# Allegro board STARRYSKY.brd (continued)
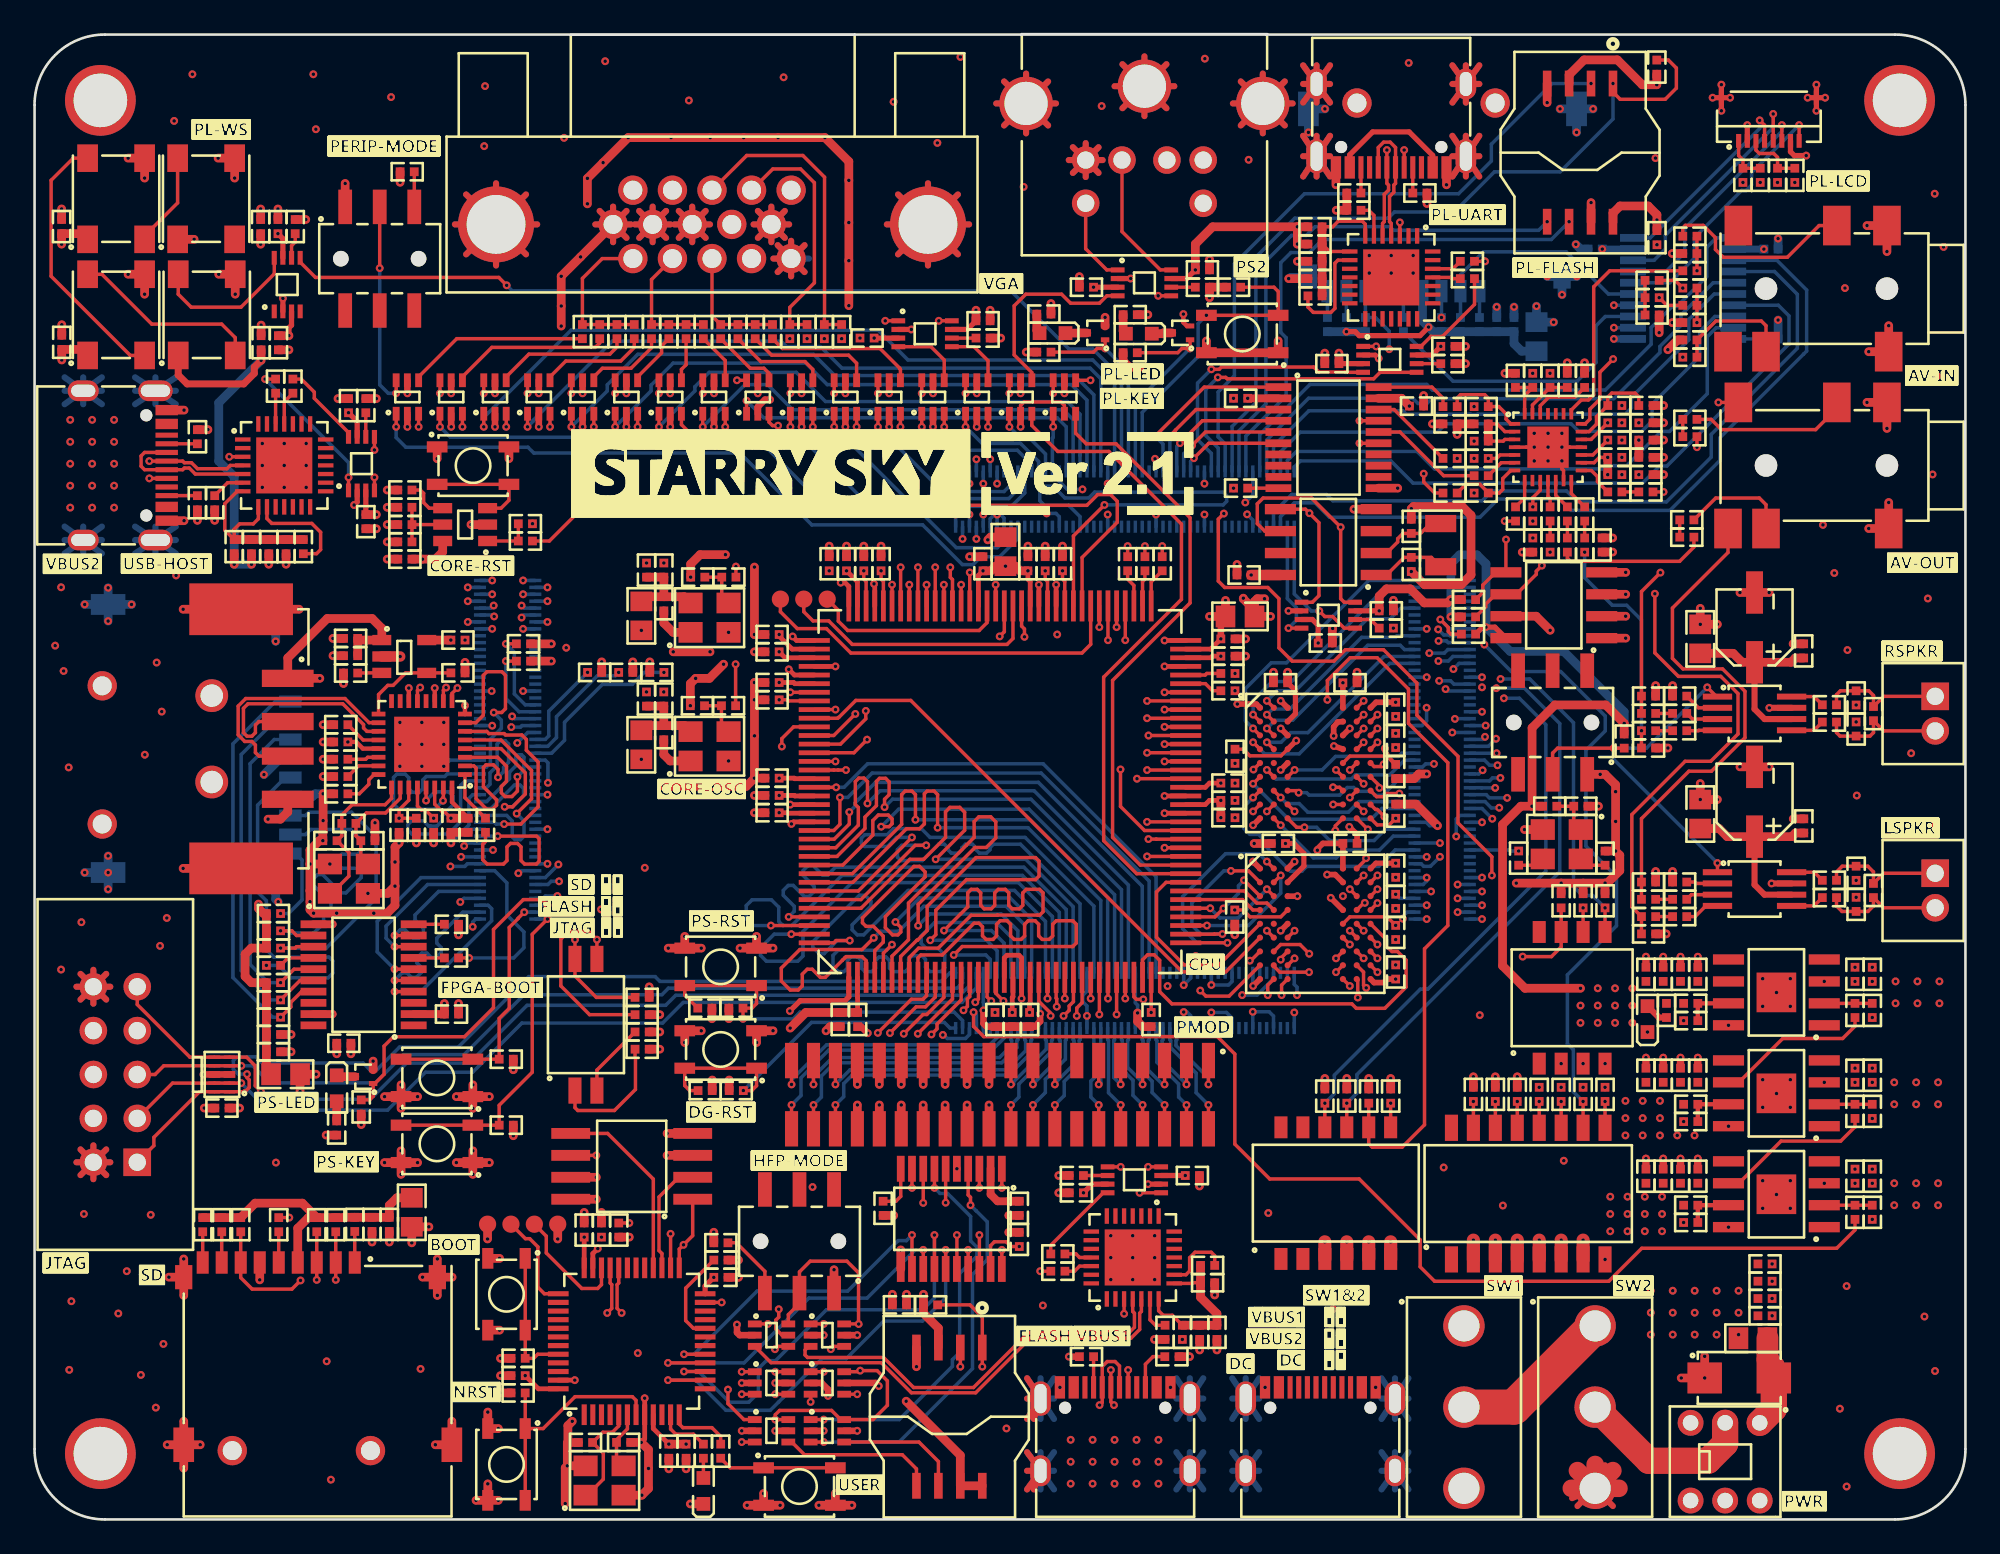
[diagram p0: board, top side]
## Routing (per net, layer and track width the routed paths; a pad name or vN(x,y) marks a point on that pad's centre or on a via; arc(x,y) is an arc through that point) (continued)
VCC_0V9: length 12.6
  TOP w0.203: U4.6 98.65,25.3 101.18,27.84 104.65,27.84 105.37,28.56 R4.1
  TOP w0.508: v1(71.19,53.3) 70.77,53.3 70.61,53.14 70.61,52.64 ; 70.61,52.64 L3.1 v1(71.54,52.27) ; 70.61,52.64 69.96,53.29 v1(69.96,53.33)
  vias: v1(92.08,24.23) v1(92.08,23.23) v1(92.08,22.23) v1(93.08,24.23) v1(93.08,23.23) v1(93.08,22.23) v1(94.08,24.23) v1(94.08,23.23) v1(94.08,22.23) v1(95.08,22.23) v1(96.08,22.23)
VCC_1V8: length 145.4
  TOP w0.203: U5.E7 76.13,34.88 78.29,34.88 v1(78.78,34.39) ; U48.E7 76.13,44.19 78.3,44.19 ; v1(23.1,40.59) 22.62,41.07 22.39,41.07 22.16,41.3 U23.28 ; U5.D3 72.13,34.88 70.35,34.88 69.95,35.28 v1(69.47,35.28) ; U48.D3 72.14,44.2 70.35,44.2 69.97,44.59 C168.1 ; U2.6 98.65,19.46 101.09,21.9 104.54,21.9 105.37,22.73 R17.1 ; U48.J9 77.71,40.2 78.4,40.2 v1(78.78,40.59) ; U23.30 23.16,41.4 23.61,40.95 23.74,40.95 v1(24.1,40.59)
  TOP w0.254: U23.14 v1(21.66,48.13) ; v1(78.16,44.63) 78.16,44.42 78.3,44.28 78.3,44.19 C166.1 ; U23.8 v1(24.91,47.11) ; C99.1 24.16,41.53 U23.32 ; U23.11 v1(23.16,48.13)
  TOP w0.305: v1(48.6,68.38) U46.3 ; v1(78.78,37.99) 77.64,37.99 U5.A9 ; U5.B3 73.47,37.82 73.47,38.55 72.89,39.13 v1(72.4,39.13) ; U48.D3 v1(73.03,45.08) ; U48.B3 72.98,46.64 72.98,47.98 C162.1 ; v1(14.73,68.52) 14.73,68.98 14.87,69.13 U42.3 ; U43.3 73.96,52.09 74.3,51.76 v1(74.3,50.73) ; U20.3 C90.2 ; v1(61.29,71.33) U25.3 ; C182.2 U52.3 ; U15.3 v1(66.6,19.91)
  TOP w0.33: v1(78.78,47.3) 77.64,47.3 U48.A9 ; U5.J9 77.53,31.08 78.09,31.08 78.3,31.28 v1(78.78,31.28) ; U48.C7 v1(76.13,45.79) ; v1(74.25,38.74) 74.25,38.81 74.57,39.13 C61.1 U5.A7 ; v1(75.73,48.43) U48.A7
  TOP w0.457: v1(56.39,18.42) 55.74,18.42 55.34,18.82 U13.2 ; C88.2 U19.2 ; v1(70.22,64.9) U53.2
  TOP w0.508: C90.2 v1(19.78,58.17) ; L4.1 55.33,56.86 v1(55.17,56.7) ; R27.1 v1(20.41,57.59) ; R92.1 v1(22.1,39.16) ; J6.8 J6.7 53.58,3.71 v1(50.45,6.84) ; C162.1 v1(72.53,49.04) ; U6.6 23.62,56.01 23.2,55.59 v1(22.46,55.59) C38.1 ; R129.1 v1(15.7,75.25) ; R112.2 R106.1 v1(68.01,70.72) ; R91.1 v1(19.78,64.88) ; R57.1 v1(59.28,19.91) ; R83.1 v1(18.91,22.86) ; R111.1 63.01,67.05 63.37,66.69 v1(63.97,66.69) ; J13.8 91.36,75.62 91.77,76.03 93.4,76.03 93.9,75.52 v1(93.9,75.22) C112.1 ; R184.1 v1(90.52,41.28) ; v1(24.1,40.59) C99.1 ; R115.1 v1(93.89,83.05) 93.05,83.05 91.62,84.49 89.69,84.49 88.82,83.62 J13.3 ; C67.2 v1(56.39,18.42) ; R109.1 v1(57.4,67.57) ; R174.1 v1(82.82,66.9) ; J13.7 v1(90.09,76.22) ; R84.1 v1(24.54,33.84) ; C88.2 v1(23.72,29.86) ; R55.1 v1(49.72,17.6) ; R131.1 v1(55.92,68.38) ; C182.2 v1(75.5,67.51) ; J6.3 52.31,11.07 51.45,11.94 R61.1 v1(51.45,13.03) ; C80.1 v1(49.65,13.03) ; R88.2 v1(27.71,22.21) ; C121.2 v1(14.73,68.52) ; R77.1 v1(40.2,25.44) ; R69.1 v1(40.19,28.99) ; R85.2 v1(27.71,26.03)
  TOP w0.762: SW7.5 v1(77.22,16.07) ; SW5.3 v1(84.55,16.17) ; SW7.4 v1(75.95,16.07) ; SW5.4 v1(85.82,16.17) ; SW7.6 v1(78.49,16.07) ; SW5.7 v1(89.63,16.17) ; SW5.6 v1(88.36,16.17) ; SW5.5 v1(87.09,16.17) ; SW7.3 v1(74.68,16.07) ; SW5.2 v1(83.28,16.17)
  ART06 w0.508: v1(50.45,6.84) 49.88,7.41 49.88,11.46 v1(51.45,13.03)
  BOTTOM w0.203: J23.A46 v1(80.83,36.35) ; J22.B5 v1(54.91,59.96) ; J23.B46 v1(83.78,36.35) ; J22.A2 v1(53.71,56.76) ; J22.B2 v1(53.71,61.37) ; J23.B49 v1(82.37,35.15) ; J22.A1 v1(53.31,58.17) ; J22.A4 v1(54.51,56.76) ; J22.B4 v1(54.51,61.37) ; J23.B50 v1(83.78,34.75) ; J23.A50 v1(80.58,34.75) ; v1(79.2,34.77) 79.2,34.91 79.44,35.15 J23.A49 ; J22.B1 v1(53.31,59.96) ; J23.B47 v1(82.37,35.95) ; J22.A5 v1(54.91,58.17) ; J23.A47 79.02,35.95 v1(78.78,36.19)
  BOTTOM w0.406: v1(100.1,73.54) U41.2
  BOTTOM w0.508: R128.1 v1(100.92,69.43)
  vias: v1(28.82,57.64) v1(35.12,51.46) v1(35.12,44) v1(69.4,59.7) v1(75.73,36.08) v1(78.65,51.59) v1(78.78,45.5) v1(88.36,26.39) v1(89.63,26.39) v1(90.9,26.39) v1(90.9,15.05) v1(91.2,18.68) v1(91.2,17.68) v1(91.2,16.68) v1(92.2,18.68) v1(92.2,17.68) v1(92.2,16.68) v1(93.2,18.68) v1(93.2,17.68) v1(93.2,16.68) v1(94.2,18.68) v1(94.2,17.68) v1(94.2,16.68)
VCC_3V3: length 171.1
  TOP w0.203: v1(43.07,12.17) 43.07,11.71 42.9,11.54 42.9,11.03 43.26,10.67 U9.5 ; v1(57,15.8) 56.51,15.8 56.24,16.07 55.56,16.07 55.34,15.85 U13.19
  TOP w0.254: v1(18.13,45) 18.62,45 19,44.62 U23.21
  TOP w0.279: v1(28.4,8.33) 29.16,7.56 U16.48 ; U16.9 35.81,5.26 v1(36.71,4.36) ; v1(31.81,16.34) U16.36
  TOP w0.305: v1(81.39,67.9) 80.89,67.4 U52.7 ; v1(14.09,74.43) 14.37,74.14 U42.7 ; C106.1 83.81,51.65 v1(84.01,51.65) 84.52,51.65 U24.8 ; J14.7 101.63,79.17 101.86,78.95 v1(102.54,78.95) ; v1(18.17,64.06) 18.67,63.56 U20.7 ; v1(39.31,14.01) 38.81,13.51 U16.24 ; U46.7 53.99,68.88 C126.1 ; U15.7 61.21,19.41 v1(60.71,18.91) ; v1(77.83,52.59) U43.7
  TOP w0.381: U10.5 v1(42.87,7.9) ; U35.5 v1(34.26,65.19) ; U30.5 v1(26.65,65.19) ; U38.5 v1(46.93,65.19) ; U39.5 v1(44.4,65.19) ; U29.5 v1(29.19,65.19) ; U45.5 v1(57.07,65.19) ; U31.5 v1(24.11,65.19) ; U11.5 v1(47.62,5.13) ; U27.5 v1(52,65.19) ; U34.5 v1(39.33,65.19) ; U37.5 v1(49.47,65.19) ; U33.5 v1(36.79,65.19) ; U40.5 v1(41.86,65.19) ; U32.5 v1(21.58,65.19) ; U7.5 v1(47.62,10.67) ; U26.5 v1(54.54,65.19) ; U44.5 v1(59.61,65.19) ; v1(48.86,7.72) 48.69,7.9 U14.5 ; U36.5 v1(31.72,65.19) ; U12.5 v1(42.87,5.13)
  TOP w0.457: U19.19 v1(17.25,29.25)
  TOP w0.508: R162.1 v1(92.01,46.08) 90.94,47.15 88,47.15 86.68,45.82 v1(86.68,41.28) ; R110.1 v1(64.44,69.74) ; R67.2 v1(36.19,29.22) ; R76.1 v1(35.61,49.64) ; 55.24,22.61 v1(55.24,23.99) ; v1(89.48,30.75) 86.27,30.75 84.97,32.05 84.97,40.22 86.03,41.28 v1(86.68,41.28) ; SW11.4 v1(46.35,1.5) ; SW11.4 v1(45.4,0.82) ; SW11.4 v1(47.31,0.82) ; R81.1 v1(16.88,22.25) ; 50.16,22.61 v1(50.16,23.99) ; C89.1 v1(17.49,26.95) ; U17.7 v1(32.51,19.8) ; SW11.3 v1(43.15,0.82) ; SW11.3 v1(41.24,0.82) ; SW11.3 v1(42.2,1.5) ; R62.1 v1(34.42,16.34) ; v1(37.71,4.36) v1(36.71,4.36) ; SW10.4 v1(26.91,10.96) ; R44.1 v1(39.31,16.63) ; R135.2 v1(94.29,60.48) ; v1(21.83,16.01) L5.2 v1(22.82,16.94) ; 52.7,22.61 v1(52.7,23.99) ; C84.1 v1(9.83,23.81) ; v1(16.29,25.77) L6.2 v1(15.37,24.78) ; U53.19 79.13,64.9 v1(79.58,64.45) ; v1(86.68,41.28) R183.1 ; C126.1 v1(54.49,69.99) ; J21.34 v1(47.62,23.99) ; R104.1 v1(58.83,70.38) ; U17.3 v1(36.61,21.07) ; R108.2 v1(81.98,53.25) 81.79,53.06 80.44,53.06 79.63,53.87 78.25,53.87 77.83,53.45 v1(77.83,52.59) ; R105.1 v1(21.16,77.4) ; R94.2 v1(17.88,48.39) ; U17.8 v1(32.51,18.53) ; R66.2 v1(35.58,30.83) ; TP4.1 v1(30.28,16.24) ; J21.28 v1(51.44,23.99) ; J21.24 v1(53.98,23.99) ; J21.32 v1(48.9,23.99) ; R107.2 v1(81.98,52.25) ; SW10.3 v1(26.91,15.11)
  TOP w0.61: v1(70.42,54.67) U28.8
  ART03 w0.508: v1(79.58,64.45) 79.58,66.09 v1(81.39,67.9)
  PWR04 w0.356: 2.66,22.47 J8.4 ; J8.4 4.15,23.96 ; J8.4 3.4,22.24 ; J8.4 4.15,22.47 ; J8.4 2.43,23.22 ; J8.4 3.4,24.19 ; J8.4 4.38,23.22 ; J8.4 2.66,23.96
  PWR04 w0.508: v1(77.83,52.59) 75.75,54.67 v1(70.42,54.67)
  ART06 w0.356: J8.4 4.38,23.22 ; J8.4 4.15,22.47 ; J8.4 3.4,24.19 ; J8.4 3.4,22.24 ; J8.4 2.66,23.96 ; J8.4 4.15,23.96 ; J8.4 2.66,22.47 ; J8.4 2.43,23.22
  BOTTOM w0.406: v1(90.74,73.54) U41.19
  BOTTOM w0.508: v1(87.92,69.31) L7.2 v1(86.93,70.23) ; v1(81.98,52.25) v1(81.98,53.25) 81.98,55.33 82.49,55.84 83.49,55.84 84.01,55.32 v1(84.01,51.65) 85.41,50.24 88.51,50.24 92.01,46.75 v1(92.01,46.08)
  vias: v1(30.77,50.46) v1(32.81,16.34) v1(89.48,29.75) v1(89.48,28.75) v1(90.48,30.75) v1(90.48,29.75) v1(90.48,28.75) v1(91.48,30.75) v1(91.48,29.75) v1(91.48,28.75) v1(92.48,30.75) v1(92.48,29.75) v1(92.48,28.75) v1(98.88,77.39) v1(101.88,77.39)
VCC_AUD: length 28.6
  TOP w0.203: U47.16 90.26,61.17 90.57,61.48 v1(91.05,61.48)
  TOP w0.508: R152.1 v1(94.03,68.69) ; v1(91.05,61.48) v1(91.05,60.48) ; R134.2 v1(94.29,61.48) ; v1(82.34,62.81) C130.1 R136.1
  ART03 w0.508: v1(91.05,60.48) 91.05,60.17 91.4,59.82 92.2,59.82 v1(92.85,60.48) 93.29,60.91 93.72,60.91 v1(94.29,61.48) 95.14,62.33 95.14,65.66 93.6,67.19 93.6,68.26 v1(94.03,68.69) ; v1(91.05,61.48) 88.85,63.69 83.22,63.69 v1(82.34,62.81)
VDD: length 36.3
  TOP w0.203: v1(58.5,54.91) 58.5,54.43 58.63,54.29 U3.85 ; v1(48,54.91) 48,54.43 48.13,54.29 U3.106
  TOP w0.279: U3.53 67.76,41.38 68,41.62 v1(68.66,41.62) ; U3.114 44,48.38 43.93,48.45 v1(43.1,48.45) ; U3.110 43.85,50.38 43.1,51.13 v1(43.1,51.22) ; v1(43.1,50.22) 43.44,49.88 U3.111 ; U3.127 44,41.88 43.97,41.91 v1(43.1,41.91) ; v1(68.66,49.97) 68.18,49.97 68.09,49.88 U3.70 ; v1(43.1,40.91) 43.58,40.91 43.61,40.88 U3.129 ; v1(47,54.91) 47.63,54.28 U3.107 ; v1(56.59,29.35) 56.59,30.21 56.63,30.25 U3.20 ; v1(68.66,50.97) 68.07,50.38 U3.71 ; C56.1 47.64,30.24 47.63,30.25 U3.2
  TOP w0.381: L3.2 68.66,52 v1(68.66,50.97)
  TOP w0.508: v1(68.66,40.62) v1(68.66,41.62) ; v1(68.01,52.27) L3.2 v1(68.93,53.2) ; v1(43.73,28.44) 44.64,29.35 C45.1 C56.1
  vias: v1(46,54.91)
VDDIO: length 44.9
  TOP w0.203: v1(59.5,54.91) 59.5,54.43 59.63,54.29 U3.83 ; v1(43.1,47.45) 43.58,47.45 43.65,47.38 U3.116 ; U3.104 49.13,54.29 49,54.43 v1(49,54.91) ; v1(64.63,29.35) U3.36
  TOP w0.279: v1(57.5,54.91) 57.5,54.43 57.63,54.29 U3.87 ; v1(57.59,29.35) 57.59,29.83 57.63,29.87 U3.22 ; U3.125 44,42.88 43.97,42.91 v1(43.1,42.91) ; v1(68.66,42.62) 68,42.62 67.76,42.38 U3.55 ; v1(54.9,54.91) 54.63,54.65 U3.93
  TOP w0.508: v1(57.5,54.91) 57.04,54.91 56.77,55.18 v1(56.2,55.18) 55.62,55.18 55.35,54.91 v1(54.9,54.91)
  PWR04 w0.508: v1(57.59,29.35) 57.59,29.01 58.09,28.51 63.91,28.51 64.63,29.23 v1(64.63,29.35) 64.79,29.5 64.79,31.89 66.71,33.81 66.71,41.32 68.01,42.62 v1(68.66,42.62)
AUD_ADCVREF: length 4.2
  TOP w0.203: v1(91.05,63.48) 90.09,62.52 U47.19
  ART03 w0.203: v1(91.05,63.48) 91.6,64.02 92.31,64.02 v1(92.85,63.48)
AUD_ASDOUT: length 1.7
  TOP w0.203: R153.2 86.25,59.14 U47.8
AUD_CE: length 3.5
  TOP w0.203: R163.2 89.16,64.97 87.64,64.97 87.15,64.47 U47.26
AUD_DAC_LOUT1: length 29.1
  TOP w0.203: C155.2 C159.1 93.01,40.57 95.75,43.31 97.06,43.31 99,45.25 99,47.93 97.7,49.23 95.41,49.23 94.8,49.84 94.8,52.76 98.02,55.97 J15.7
AUD_DAC_ROUT1: length 21
  TOP w0.203: J15.6 v1(97.46,64.66) ; v1(94.1,54.81) 93.01,53.71 C180.1 C176.2
  ART03 w0.203: v1(97.46,64.66) 97.46,60.93 94.1,57.58 v1(94.1,54.81)
AUD_DSDIN: length 1.8
  TOP w0.203: U47.6 84.89,61.17 R151.2
AUD_GND: length 32.7
  TOP w0.203: v1(88.4,61.27) 88.4,60.82 88.5,60.72 U47.13 ; v1(88.4,62.07) 88.86,62.07 88.86,62.07 U47.18 ; v1(86.8,62.07) 86.34,62.07 86.34,62.07 U47.4
  TOP w0.356: U49.7 v1(100.54,36.81) ; v1(100.41,46.98) 100.41,46.98 U51.7
  TOP w0.508: v1(107.22,73.39) J17.2 v1(106.06,74.9) ; C154.1 v1(94.81,37.51) ; C171.2 v1(94.29,63.48) ; v1(100.4,43.57) CP1.2 v1(98.71,43.57) ; C178.2 v1(101.78,50.69) ; v1(107.32,69.1) J17.3 v1(106.16,67.6) ; C157.2 v1(101.79,40.56) ; v1(98.71,53.66) CP2.2 v1(100.4,53.66) ; C173.2 v1(94.29,64.48) ; v1(107.32,58.87) J15.3 v1(106.16,57.36) ; v1(107.22,63.16) J15.2 v1(106.06,64.66) ; C132.2 v1(94.29,62.48) ; R168.2 v1(91.34,56.82) ; C144.1 v1(94.79,69.28) ; C159.2 v1(93.83,37.51) ; C158.2 v1(94.44,33.9) ; C142.2 v1(88.71,66.96) ; C130.2 v1(80.91,63.42) ; C180.2 v1(93.83,48.27) ; C179.2 v1(94.54,44.66) ; R163.1 v1(89.72,66.96) ; C175.1 v1(94.81,48.27) ; C140.2 v1(85.1,66.35) ; C148.2 v1(94.79,73.28) ; C169.2 v1(86.11,55.99) ; v1(94.53,67.71) 95.1,68.28 R156.1
  vias: v1(83.32,64.42) v1(83.32,62.42) v1(83.32,61.42) v1(83.32,59.42) v1(86.72,57.79) v1(86.8,62.87) v1(86.8,61.27) v1(87.6,62.87) v1(87.6,62.07) v1(87.6,61.27) v1(88.4,62.87) v1(91.87,64.48) v1(91.87,63.48) v1(91.87,62.48) v1(91.87,61.48) v1(91.87,60.48) v1(105.43,47.14) v1(105.43,46.17) v1(105.43,36.99) v1(105.43,36.01)
AUD_LIN2: length 13.7
  TOP w0.203: C147.1 91.17,72.28 90.24,71.35 90.24,65.11 89.94,64.8 89.53,64.8 88.95,64.22 U47.22
AUD_LOUT1: length 8.7
  TOP w0.203: C135.1 96.04,56.29 95.22,55.46 88.9,55.46 88.72,55.64 R138.2
AUD_LOUT2: length 33.9
  TOP w0.203: R142.2 v1(94.29,59.48) ; v1(93.78,53.58) 93.78,50.16 95.14,48.8 97.6,48.8 98.6,47.81 98.6,45.47 97.02,43.89 95.54,43.89 92.45,40.8 92.45,35.45 C156.2 C158.1
  ART03 w0.203: v1(93.78,53.58) 93.24,54.13 93.24,58.43 v1(94.29,59.48)
AUD_LRCK: length 4.7
  TOP w0.203: U47.7 85.45,60.72 84.98,60.25 84.98,59.62 84.78,59.42 C153.1 84.14,59.43 83.65,59.92 82.84,59.92 R150.2
AUD_MCLK: length 5.1
  TOP w0.203: U47.1 85.45,63.42 85.17,63.69 85.17,63.99 84.75,64.42 C151.1 84.14,64.9 83.94,65.11 82.53,65.11 82.34,64.91 R148.2
AUD_RIN2: length 10.8
  TOP w0.203: C145.1 94.48,70.28 v1(94.03,70.72) ; U47.21 89.75,63.42 90.02,63.69 90.02,64.27 90.6,64.85 90.6,64.86 90.6,64.86 90.6,66.41 v1(91.37,67.17)
  ART03 w0.203: v1(91.37,67.17) 94.03,69.84 v1(94.03,70.72)
AUD_ROUT1: length 11.9
  TOP w0.203: C139.1 v1(96.22,62.07)
  ART03 w0.203: v1(96.22,62.07) 96.22,61.61 94.55,59.94 93.71,59.94 92.09,58.32 90.05,58.32 v1(87.72,55.99)
AUD_ROUT2: length 13.2
  TOP w0.203: v1(93.01,45.66) C179.1
  BOTTOM w0.203: v1(89.72,55.99) 89.72,54.52 91.32,52.92 92.15,52.92 93.01,52.06 v1(93.01,45.66)
AUD_SCLK: length 3.8
  TOP w0.203: v1(84.14,61.42) 84.62,61.42 84.83,61.62 U47.5
  ART03 w0.203: v1(82.34,61.42) 82.83,61.91 83.65,61.91 v1(84.14,61.42)
AUD_VMID: length 5.4
  TOP w0.203: U47.20 89.97,62.97 90.4,63.4 90.4,63.83 C174.1 91.05,64.96 91.29,65.2 92.64,65.2 92.85,64.98 C173.1
AUD_VREF: length 4
  TOP w0.203: v1(86.72,58.61) 86.72,59.15 87.15,59.58 U47.10
  ART03 w0.203: v1(86.72,58.61) 87.26,58.07 87.26,57.36 v1(86.72,56.81)
B13_L0: length 10.9
  TOP w0.203: U37.1 v1(48.82,63.25)
  BOTTOM w0.203: J22.B9 56.51,59.9 56.11,59.5 52.56,59.5 v1(48.82,63.25)
B13_L2_N: length 29.4
  TOP w0.203: U3.82 60.13,56.93 v1(61.93,58.73)
  BOTTOM w0.203: v1(61.93,58.73) 68.8,58.73 69,58.93 69,59.26 68.8,59.47 61.36,59.47 61.02,59.13 59.64,59.13 58.95,59.81 58.39,59.81 58.18,59.61 58.18,58.97 58.44,58.71 59.84,58.71 60.51,58.04 J22.A19
B13_L4_N: length 6.1
  TOP w0.203: U53.6 67.97,62.3 v1(67.1,61.43)
  BOTTOM w0.203: J22.B35 66.91,61.24 v1(67.1,61.43)
B13_L7_N: length 7.9
  TOP w0.203: U53.4 67.59,63.6 v1(66.3,62.3)
  BOTTOM w0.203: v1(66.3,62.3) 66.11,62.12 J22.B33
B13_L7_P: length 7
  TOP w0.203: v1(67,62.17) 67.77,62.95 U53.5
  BOTTOM w0.203: J22.B34 66.51,61.69 v1(67,62.17)
B13_L8_N: length 18.4
  TOP w0.203: R112.1 71.73,71.33 71.98,71.08 SW18.3 v1(67.83,69.7)
  BOTTOM w0.203: v1(67.83,69.7) 67.35,69.22 67.35,67.32 64.11,64.08 J22.B28
B13_L9_N: length 46.3
  TOP w0.203: U30.1 v1(26,63.25)
  BOTTOM w0.203: v1(26,63.25) 26,63.79 31.05,68.84 48.79,68.84 48.79,68.83 48.84,68.83 50.55,67.12 61.24,67.12 62.51,65.85 J22.B24
B13_L9_P: length 56
  TOP w0.203: v1(27.33,71.44) 26.87,71.89 16.26,71.89 15.37,72.78 U42.5
  BOTTOM w0.203: v1(27.33,71.44) 27.65,71.11 56.51,71.11 59.87,67.75 61.25,67.75 62.91,66.09 J22.B25
B13_L10_N: length 10.5
  TOP w0.203: v1(64.86,62.7) 67.7,65.55 U53.1
  BOTTOM w0.203: J22.B31 65.31,62.25 v1(64.86,62.7)
B13_L10_P: length 9
  TOP w0.203: v1(65.71,62.72) 66.04,63.04 66.04,63.06 67.23,64.25 U53.3
  BOTTOM w0.203: v1(65.71,62.72) J22.B32
B13_L11_N: length 11.4
  TOP w0.203: Q2.1 v1(61.96,67.78) 61.51,67.78 61.29,67.57 R109.2
  BOTTOM w0.203: v1(61.96,67.78) 63.31,66.43 J22.B26
B13_L11_P: length 12.1
  TOP w0.203: Q3.1 66.88,67.8 v1(66.87,67.78) 66.41,67.78 66.17,67.54 R111.2
  BOTTOM w0.203: v1(66.87,67.78) 63.71,64.63 J22.B27
B13_L13_N: length 22.5
  TOP w0.203: U40.1 v1(41.21,64.76)
  BOTTOM w0.203: J22.B17 59.71,63.25 59.19,63.77 42.2,63.77 v1(41.21,64.76)
B13_L13_P: length 27
  TOP w0.203: U34.1 v1(38.68,63.25)
  BOTTOM w0.203: v1(38.68,63.25) 41.12,65.69 42.43,65.69 43.88,64.23 59.54,64.23 60.11,63.66 J22.B18
B13_L14_N: length 38.3
  TOP w0.203: U36.1 v1(31.07,63.25)
  BOTTOM w0.203: v1(31.07,63.25) 33.15,65.32 33.15,65.68 34.92,67.45 45.09,67.45 46.32,66.22 60.19,66.22 61.31,65.1 J22.B21
B13_L14_P: length 42.3
  TOP w0.203: U29.1 v1(28.54,63.25)
  BOTTOM w0.203: v1(28.54,63.25) 28.86,63.57 28.86,63.62 33.44,68.21 43.21,68.21 43.52,67.89 45.48,67.89 46.73,66.64 61.1,66.64 61.71,66.03 J22.B22
B13_L15_N: length 14.4
  TOP w0.203: U38.1 v1(46.28,63.25)
  BOTTOM w0.203: v1(46.28,63.25) 50.43,59.09 56.39,59.09 56.91,59.62 J22.B10
B13_L15_P: length 17.8
  TOP w0.203: U39.1 v1(43.75,63.25)
  BOTTOM w0.203: J22.B11 57.31,59.42 56.54,58.64 48.35,58.64 v1(43.75,63.25)
B13_L16_N: length 4.5
  TOP w0.203: U45.1 v1(56.42,63.25)
  BOTTOM w0.203: J22.B14 58.51,61.67 57.45,62.74 56.93,62.74 v1(56.42,63.25)
B13_L16_P: length 3.4
  TOP w0.203: U44.1 v1(58.96,63.25)
  BOTTOM w0.203: J22.B15 58.91,62.6 58.96,62.64 v1(58.96,63.25)
B13_L17_N: length 30.9
  TOP w0.203: U33.1 v1(36.14,63.25)
  BOTTOM w0.203: v1(36.14,63.25) 38.22,65.32 38.22,65.57 39.05,66.4 44.09,66.4 45.78,64.71 59.78,64.71 60.51,63.97 60.51,61.61 60.51,61.6 J22.B19
B13_L17_P: length 34.8
  TOP w0.203: U35.1 v1(33.61,63.25)
  BOTTOM w0.203: v1(33.61,63.25) 35.68,65.32 35.68,65.66 36.96,66.93 44.64,66.93 45.88,65.69 60.01,65.69 60.91,64.79 J22.B20
B13_L18_N: length 8.4
  TOP w0.203: U27.1 v1(51.35,63.25)
  BOTTOM w0.203: v1(51.35,63.25) 52.71,61.89 56.89,61.89 57.71,61.06 J22.B12
B13_L18_P: length 6.4
  TOP w0.203: U26.1 v1(53.89,63.25)
  BOTTOM w0.203: v1(53.89,63.25) 54.84,62.29 57.07,62.29 58.11,61.24 J22.B13
B13_L24_N: length 41.7
  TOP w0.203: U32.1 v1(20.93,63.25)
  BOTTOM w0.203: v1(20.93,63.25) 20.93,62.63 21.49,62.07 28.56,62.07 28.89,61.73 40.83,61.73 44.99,57.57 51.4,57.57 53.7,55.27 54.32,55.27 54.77,55.73 55.86,55.73 56.91,56.78 J22.A10
B13_L25: length 37.5
  TOP w0.203: U31.1 v1(23.46,63.25)
  BOTTOM w0.203: J22.A9 56.54,57.44 56.54,57.06 55.73,56.25 55.37,56.25 55.36,56.25 54.99,56.25 54.98,56.25 53.35,56.25 51.48,58.12 46.28,58.12 42.33,62.07 41.85,62.07 41.84,62.08 41.83,62.08 41.56,62.35 41.56,62.36 41.28,62.64 24.07,62.64 v1(23.46,63.25)
B33_L1_N: length 8.8
  TOP w0.203: U48.B8 v1(76.93,46.59)
  ART03 w0.203: v1(76.93,46.59) 77.38,47.04 77.38,48.01 79.53,50.15 v1(80.73,50.15)
  BOTTOM w0.203: v1(80.73,50.15) 81.6,50.15 81.8,50.35 J23.B11
B33_L1_P: length 7.9
  TOP w0.203: U48.B9 v1(77.73,46.59)
  ART03 w0.203: v1(77.73,46.59) 77.73,47.04 77.88,47.19 77.88,47.74 79.83,49.69 v1(81.25,49.69)
  BOTTOM w0.203: J23.B12 82.09,49.95 81.83,49.69 v1(81.25,49.69)
B33_L2_N: length 8.3
  TOP w0.203: U48.C9 v1(77.73,45.79)
  ART03 w0.203: v1(77.73,45.79) 78.32,46.38 78.32,47.49 78.59,47.76 79.28,47.76 80.12,48.61 80.12,48.94 80.39,49.21 80.73,49.21 80.74,49.22 v1(82.12,49.22)
  BOTTOM w0.203: v1(82.12,49.22) 82.45,49.55 J23.B13
B33_L4_N: length 11.6
  TOP w0.203: U48.C8 v1(76.93,45.79)
  ART03 w0.203: v1(76.93,45.79) 76.46,46.25 76.46,48.31 77,48.85 77,49.18 78.92,51.09 80.81,51.09 v1(81.24,51.52)
  BOTTOM w0.203: v1(81.24,51.52) 81.56,51.2 81.88,51.2 81.93,51.15 J23.B9
B33_L4_P: length 8.8
  TOP w0.203: U48.A8 v1(76.93,47.39)
  ART03 w0.203: v1(76.93,47.39) 76.93,48.17 77.46,48.7 77.46,48.93 79.15,50.62 81.06,50.62 81.26,50.83 81.26,50.85 v1(81.26,50.86)
  BOTTOM w0.203: v1(81.26,50.86) 81.72,50.86 81.82,50.75 J23.B10
B33_L6_N: length 12.4
  TOP w0.203: U48.D1 v1(70.53,44.99)
  BOTTOM w0.203: J23.A13 78.44,49.55 73.2,44.32 71.2,44.32 v1(70.53,44.99)
B33_L7_N: length 33
  BOTTOM w0.203: U41.6 97.22,70.94 95.75,69.46 95.75,68.28 92.43,64.96 92.43,64.34 92.07,63.98 83.53,63.98 83.51,63.96 83.13,63.96 83.11,63.98 79.4,63.98 79.2,64.17 73.75,64.17 71.71,62.13 J22.B47
B33_L7_P: length 32.4
  BOTTOM w0.203: U41.8 97.26,69.64 96.38,68.75 96.38,67.32 93.63,64.57 93.63,63.59 93.02,62.98 89.38,62.98 88.93,63.43 81.69,63.43 81.2,62.94 73.26,62.94 72.11,61.79 J22.B48
B33_L8_N: length 36.1
  BOTTOM w0.203: U41.1 97.34,74.19 96.78,73.63 96.78,71.94 95.06,70.22 94.79,70.22 93.56,68.99 93.56,68.02 90.92,65.38 80.91,65.38 80.58,65.7 73.82,65.7 70.91,62.79 J22.B45
B33_L8_P: length 33.4
  BOTTOM w0.203: U41.5 97.16,71.59 95.29,69.72 95.29,69.12 94.08,67.9 94.08,67.55 91.41,64.88 80.86,64.88 80.59,64.6 80.07,64.6 79.77,64.9 73.74,64.9 71.31,62.47 J22.B46
B33_L10_N: length 44.1
  BOTTOM w0.203: J22.A47 71.71,58.27 72.77,59.33 74.78,59.33 75.15,58.96 83.13,58.96 83.13,58.96 83.51,58.96 83.51,58.96 83.79,58.96 84.36,59.53 88.67,59.53 89.3,58.9 94.46,58.9 97.04,61.49 97.04,62.81 102.03,67.79 102.03,70.92 100.71,72.24 U41.4
B33_L10_P: length 45.5
  BOTTOM w0.203: U41.3 100.85,72.89 102.57,71.17 102.57,67.63 102.39,67.45 97.54,62.6 97.54,61.29 94.66,58.41 88.93,58.41 88.27,59.07 84.71,59.07 83.66,58.01 74.95,58.01 74.11,58.85 72.92,58.85 72.11,58.04 J22.A48
B33_L11_N: length 32.4
  BOTTOM w0.203: U41.9 97.34,68.99 96.82,68.46 96.82,65.17 94.63,62.98 94.14,62.98 92.16,61 90.93,61 90.74,60.81 81.03,60.81 80.02,61.82 73.04,61.82 72.51,61.29 J22.B49
B33_L11_P: length 38
  BOTTOM w0.203: J22.B50 72.91,60.91 73.27,61.27 78.5,61.27 79.79,59.99 93.07,59.99 94.06,60.98 94.48,60.98 101.55,68.05 101.55,69.67 100.93,70.29 U41.7
B33_L13_P: length 11.3
  TOP w0.203: U48.A2 v1(71.33,47.39)
  BOTTOM w0.203: J23.A5 79.09,52.75 78.47,52.14 77.14,52.14 72.98,47.97 71.91,47.97 v1(71.33,47.39)
B33_L14_N: length 13.4
  TOP w0.203: U48.B1 v1(70.53,46.59)
  BOTTOM w0.203: v1(70.53,46.59) 70.53,47.4 71.63,48.5 72.76,48.5 78.21,53.95 J23.A2
B33_L15_N: length 11.2
  TOP w0.203: U48.C2 v1(71.33,45.79)
  BOTTOM w0.203: v1(71.33,45.79) 71.8,46.26 72.82,46.26 77.16,50.6 79.05,50.6 79.29,50.35 J23.A11
B33_L15_P: length 11.2
  TOP w0.203: U48.D2 v1(71.33,44.99)
  BOTTOM w0.203: v1(71.33,44.99) 72.15,44.99 72.71,45.55 73.7,45.55 78.11,49.95 J23.A12
B33_L16_N: length 11
  TOP w0.203: U48.B2 v1(71.33,46.59)
  BOTTOM w0.203: J23.A9 78.86,51.15 78.76,51.06 76.81,51.06 72.66,46.91 71.65,46.91 v1(71.33,46.59)
B33_L17_N: length 30.2
  BOTTOM w0.203: J22.B42 69.71,63.02 71.27,64.58 71.27,72.84 72.76,74.33 73.61,74.33 74.12,74.83 78.44,74.83 78.65,74.62 87.05,74.62 v1(87.55,75.12)
B33_L17_P: length 30.8
  BOTTOM w0.203: J22.B43 70.11,62.72 72.44,65.04 72.44,68.41 72.13,68.71 72.13,72.75 72.72,73.34 73.8,73.34 74.55,74.09 87.79,74.09 v1(88.82,75.12)
B33_L18_N: length 15.5
  TOP w0.203: U52.4 75.86,66.4 75.85,66.42 74.33,66.42 74.04,66.71 68.7,66.71 68.57,66.58 v1(68.11,66.58)
  BOTTOM w0.203: J22.B38 68.11,61.71 67.31,62.51 67.31,65.78 v1(68.11,66.58)
B33_L18_P: length 17.7
  TOP w0.203: U52.5 77.88,66.4 77.5,66.02 69.03,66.02 68.95,66.11 v1(68.49,66.11)
  BOTTOM w0.203: J22.B39 68.51,62.02 67.79,62.74 67.79,65.41 v1(68.49,66.11)
B33_L21_N: length 7
  TOP w0.203: U43.4 v1(72.58,51.59)
  BOTTOM w0.203: v1(72.58,51.59) 73.03,52.05 73.03,52.78 72.51,53.31 J22.A49
B33_L21_P: length 8.2
  TOP w0.203: v1(74.36,52.59) 74.68,52.26 75.13,52.26 75.8,51.59 U43.5
  BOTTOM w0.203: v1(74.36,52.59) 73.9,52.59 72.91,53.58 J22.A50
B33_L22_N: length 38.1
  BOTTOM w0.203: v1(90.09,83.12) 87.83,83.12 84.32,79.61 84.32,78.64 82.42,76.74 73.5,76.74 69.45,72.68 69.45,66.21 68.5,65.26 68.5,62.67 68.91,62.26 J22.B40
B33_L22_P: length 46.1
  TOP w0.203: v1(91.36,83.12) 91.36,82.62 91.77,82.21 94.38,82.21 95.03,82.85 95.03,84.02 94.57,84.48 R115.2
  BOTTOM w0.203: v1(91.36,83.12) 91.36,81.07 88.3,78.01 84.5,78.01 82.18,75.68 78.71,75.68 78.35,75.32 72.94,75.32 70.69,73.07 70.69,64.65 69.31,63.27 J22.B41
B33_L25: length 15.4
  TOP w0.203: U48.C1 v1(70.53,45.79)
  BOTTOM w0.203: v1(70.53,45.79) 70.09,46.23 70.09,48.09 71.58,49.59 72.46,49.59 77.23,54.35 J23.A1
B34_L1_N: length 13.6
  TOP w0.203: U48.H1 v1(70.53,40.99)
  ART06 w0.203: v1(70.53,40.99) 71.92,39.6 74.3,39.6 74.74,39.15 v1(81.34,39.15)
  BOTTOM w0.203: J23.A39 v1(81.34,39.15)
B34_L1_P: length 14.1
  TOP w0.203: U48.G1 v1(70.53,41.79)
  BOTTOM w0.203: J23.A40 78.76,38.75 77.81,37.8 73.64,37.8 73.35,37.52 72.7,37.52 71.05,39.17 71.05,39.46 70.85,39.66 70.34,39.66 70,40 70,41.26 v1(70.53,41.79)
B34_L2_N: length 12
  TOP w0.203: U48.H2 v1(71.33,40.99)
  ART03 w0.203: v1(71.33,40.99) 71.33,40.26 71.98,39.61 74.18,39.61 75.03,38.76 79.64,38.76 80.04,38.35 v1(80.58,38.35)
  BOTTOM w0.203: J23.A41 v1(80.58,38.35)
B34_L2_P: length 11.8
  TOP w0.203: U48.H3 v1(72.93,40.99)
  ART03 w0.203: v1(81.34,38.36) 80.53,39.17 75.24,39.17 73.43,40.99 v1(72.93,40.99)
  BOTTOM w0.203: v1(81.34,38.36) 80.79,37.81 80.4,37.81 80.26,37.95 J23.A42
B34_L3_P: length 8.9
  TOP w0.203: U48.G2 v1(72.13,41.79)
  BOTTOM w0.203: v1(72.13,41.79) 72.48,41.44 73.2,41.44 73.7,40.94 76.05,40.94 76.66,41.55 77.99,41.55 77.99,41.55 78.35,41.55 78.35,41.55 J23.A33
B34_L4_N: length 9.8
  TOP w0.203: U48.F2 v1(71.33,43.39)
  BOTTOM w0.203: v1(71.33,43.39) 71.86,42.86 76.21,42.86 76.45,43.1 78.44,43.1 79.29,43.95 J23.A27
B34_L4_P: length 12.7
  TOP w0.203: U48.E1 v1(70.55,43.41)
  ART06 w0.203: v1(81,43.74) 80.57,44.16 71.31,44.16 v1(70.55,43.41)
  BOTTOM w0.203: J23.A28 80.33,43.55 80.51,43.74 v1(81,43.74)
B34_L5_N: length 8.2
  TOP w0.203: v1(73.17,42.07) 73.05,42.19 U48.G3
  BOTTOM w0.203: v1(73.17,42.07) 73.62,42.07 73.77,41.93 75.54,41.93 75.98,42.37 76.35,42.37 76.57,42.15 77.34,42.15 77.57,41.91 78.02,41.91 78.86,42.75 J23.A30
B34_L6_N: length 11
  TOP w0.203: U48.F1 v1(70.53,42.59)
  BOTTOM w0.203: v1(70.53,42.59) 72.58,40.53 77.36,40.53 77.98,41.15 J23.A34
B34_L7_N: length 8.1
  TOP w0.203: v1(73.5,40.06) 73.05,40.06 U48.J3
  BOTTOM w0.203: J23.A37 78.18,39.95 77.53,39.3 74.97,39.3 74.2,40.06 v1(73.5,40.06)
B34_L7_P: length 9.6
  TOP w0.203: U48.J2 v1(72.13,40.19)
  BOTTOM w0.203: J23.A38 78.64,39.55 77.84,38.75 75.79,38.75 75.34,38.29 74.02,38.29 v1(72.13,40.19)